# Altium PCB pdb_tfg.PcbDoc
Units mm, origin at the board's own origin, x right, y up, seen from the top; angles counter-clockwise.
Board outline 68.6 x 53.36 mm, 4 copper layers (Top Layer, GND, VCC, Bottom Layer), stack 0.778 mm thick; 16 components, 32 nets, 102 pads, 0 vias.
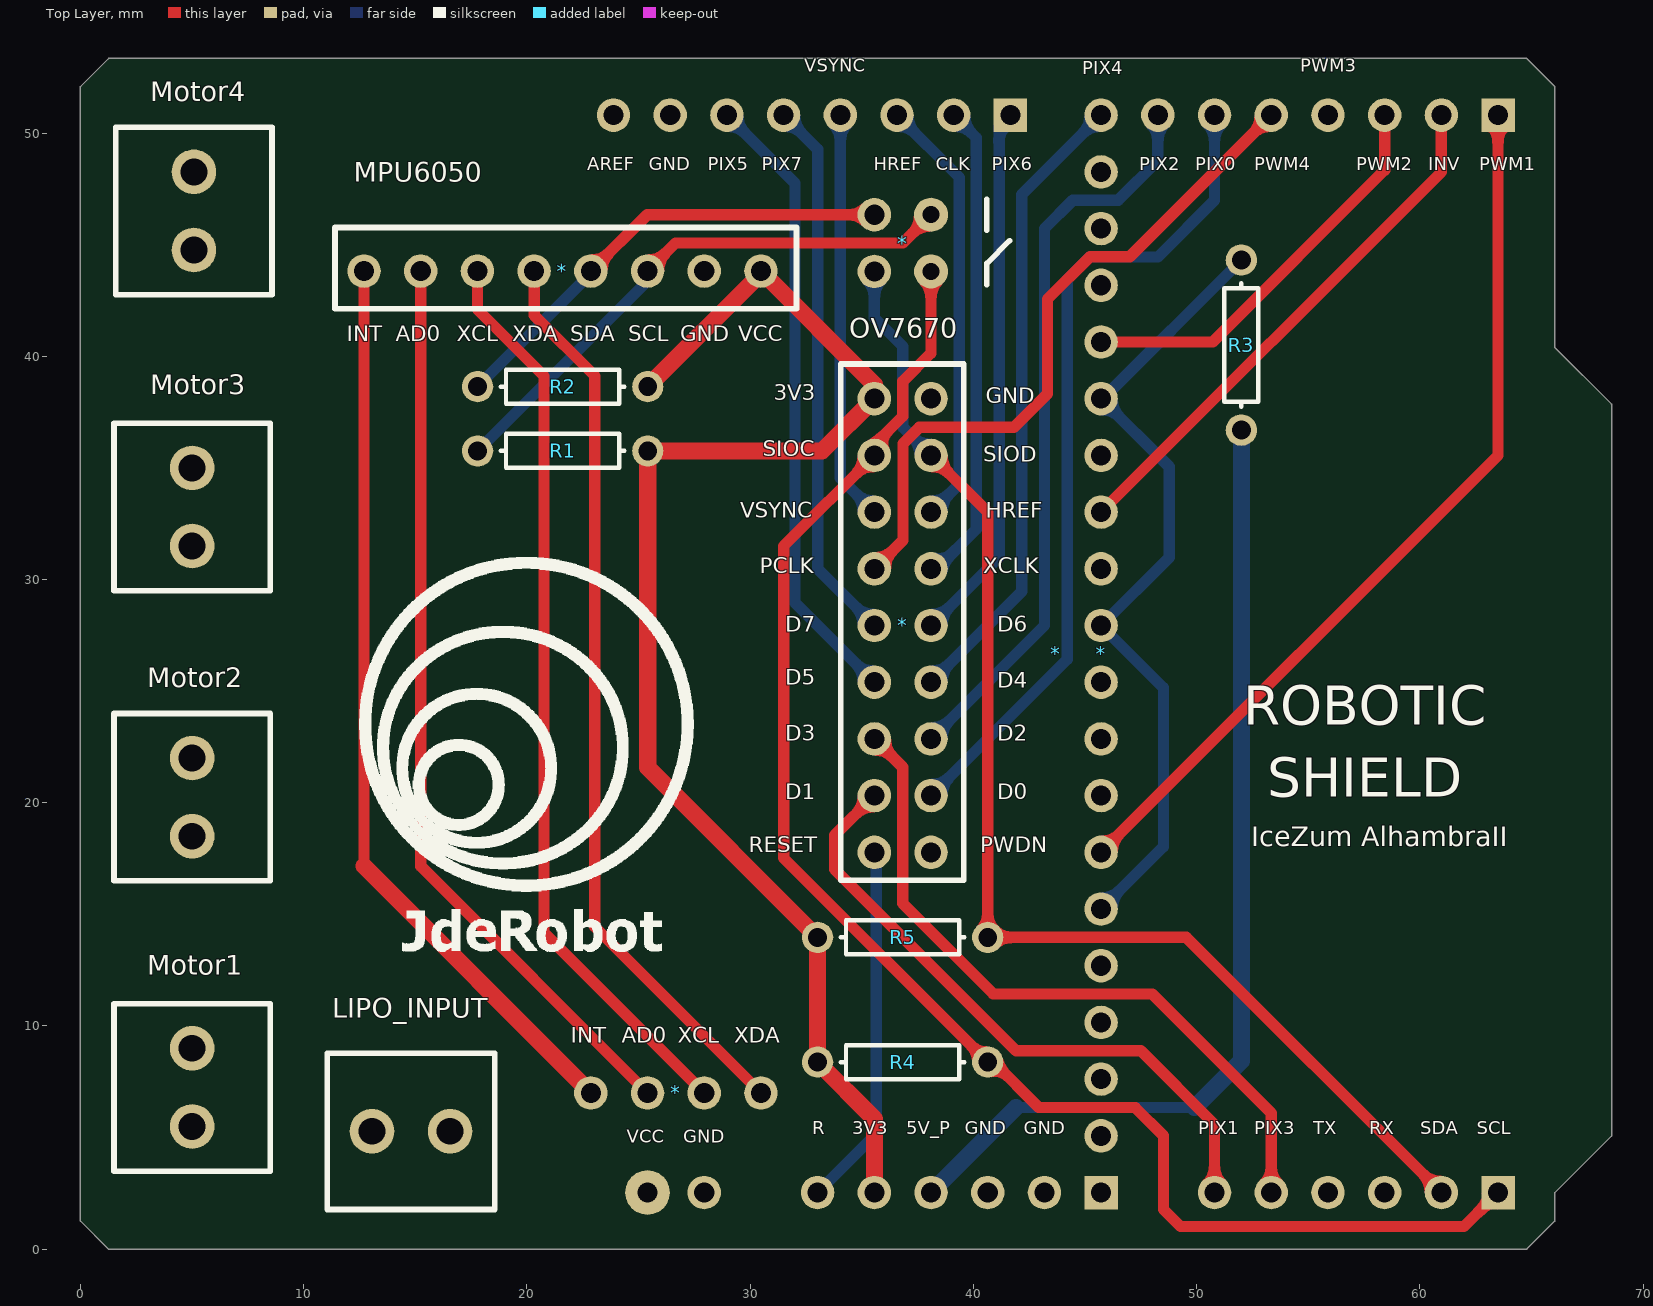
[diagram p0: Top Layer view]
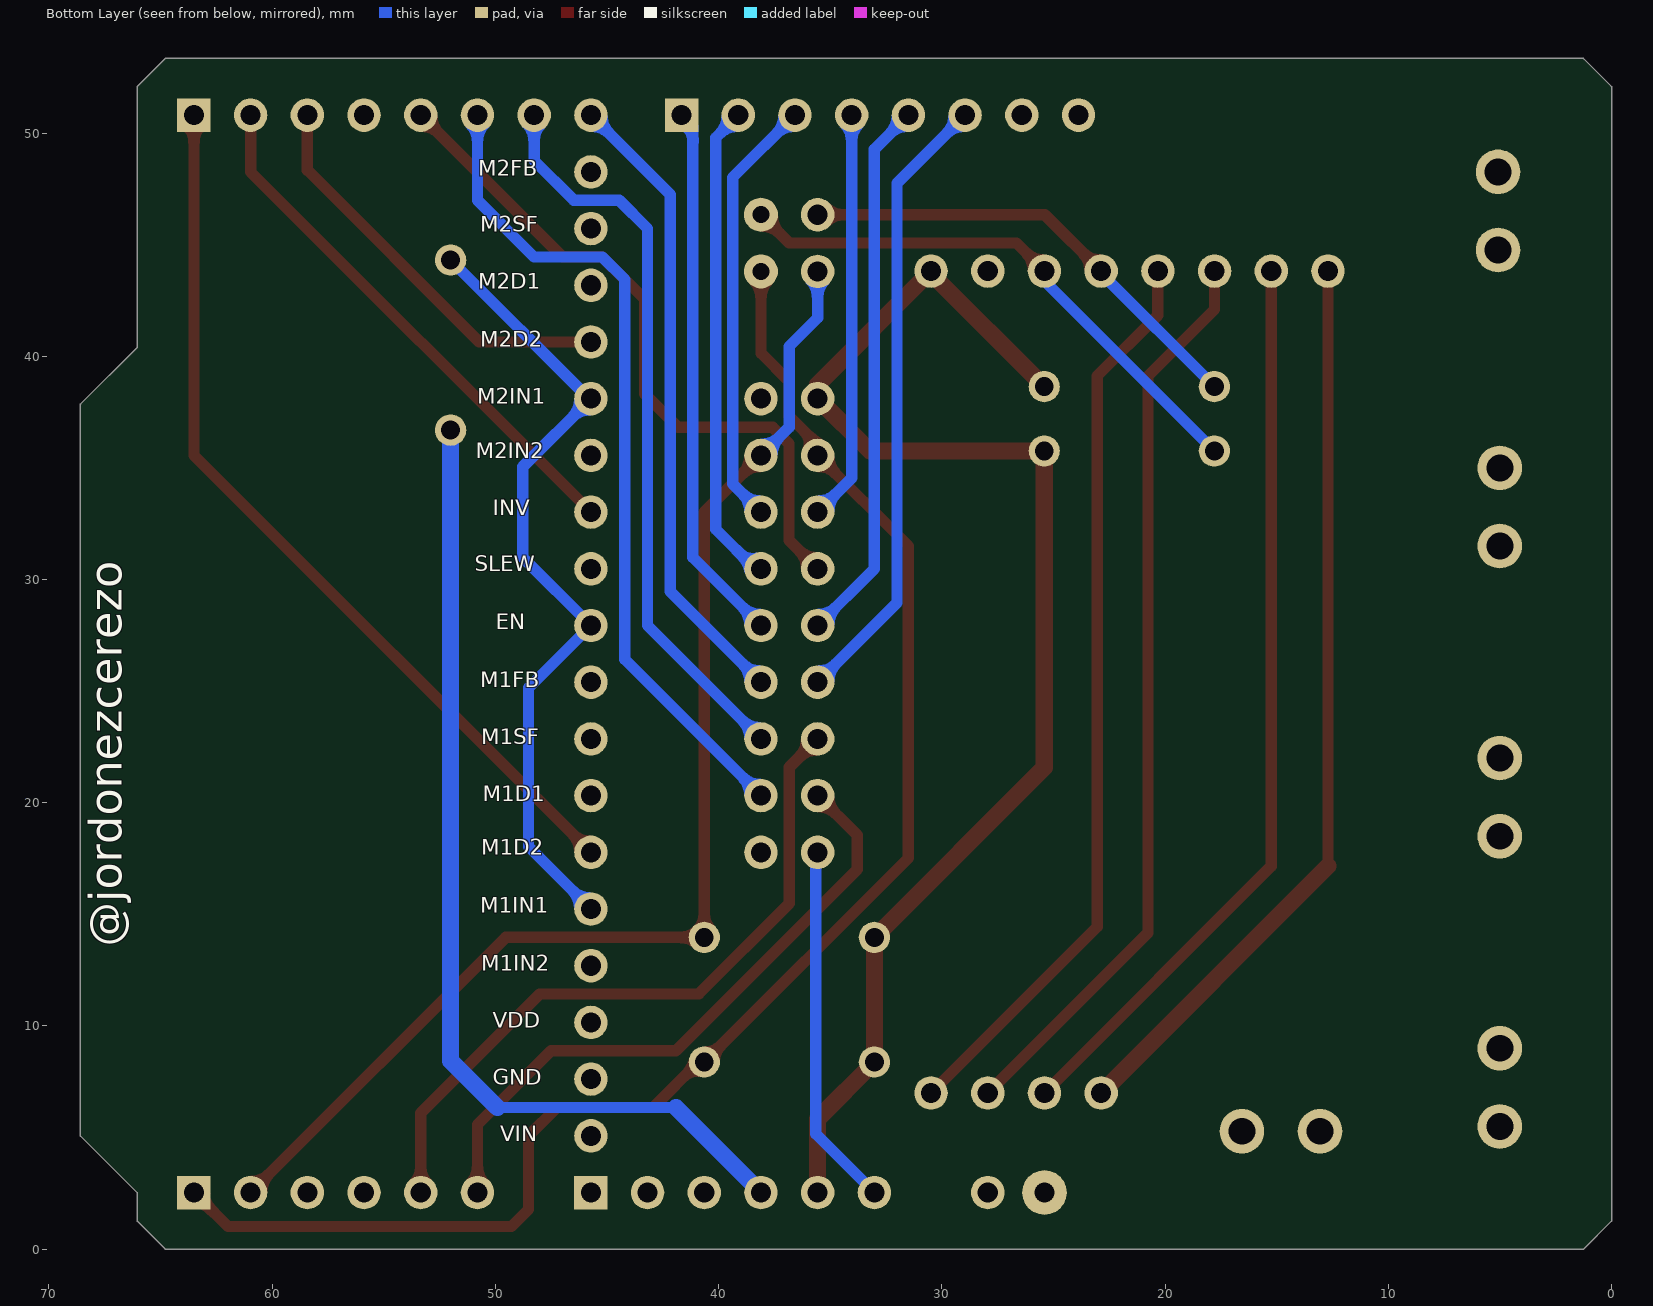
[diagram p1: Bottom Layer view, seen from below]
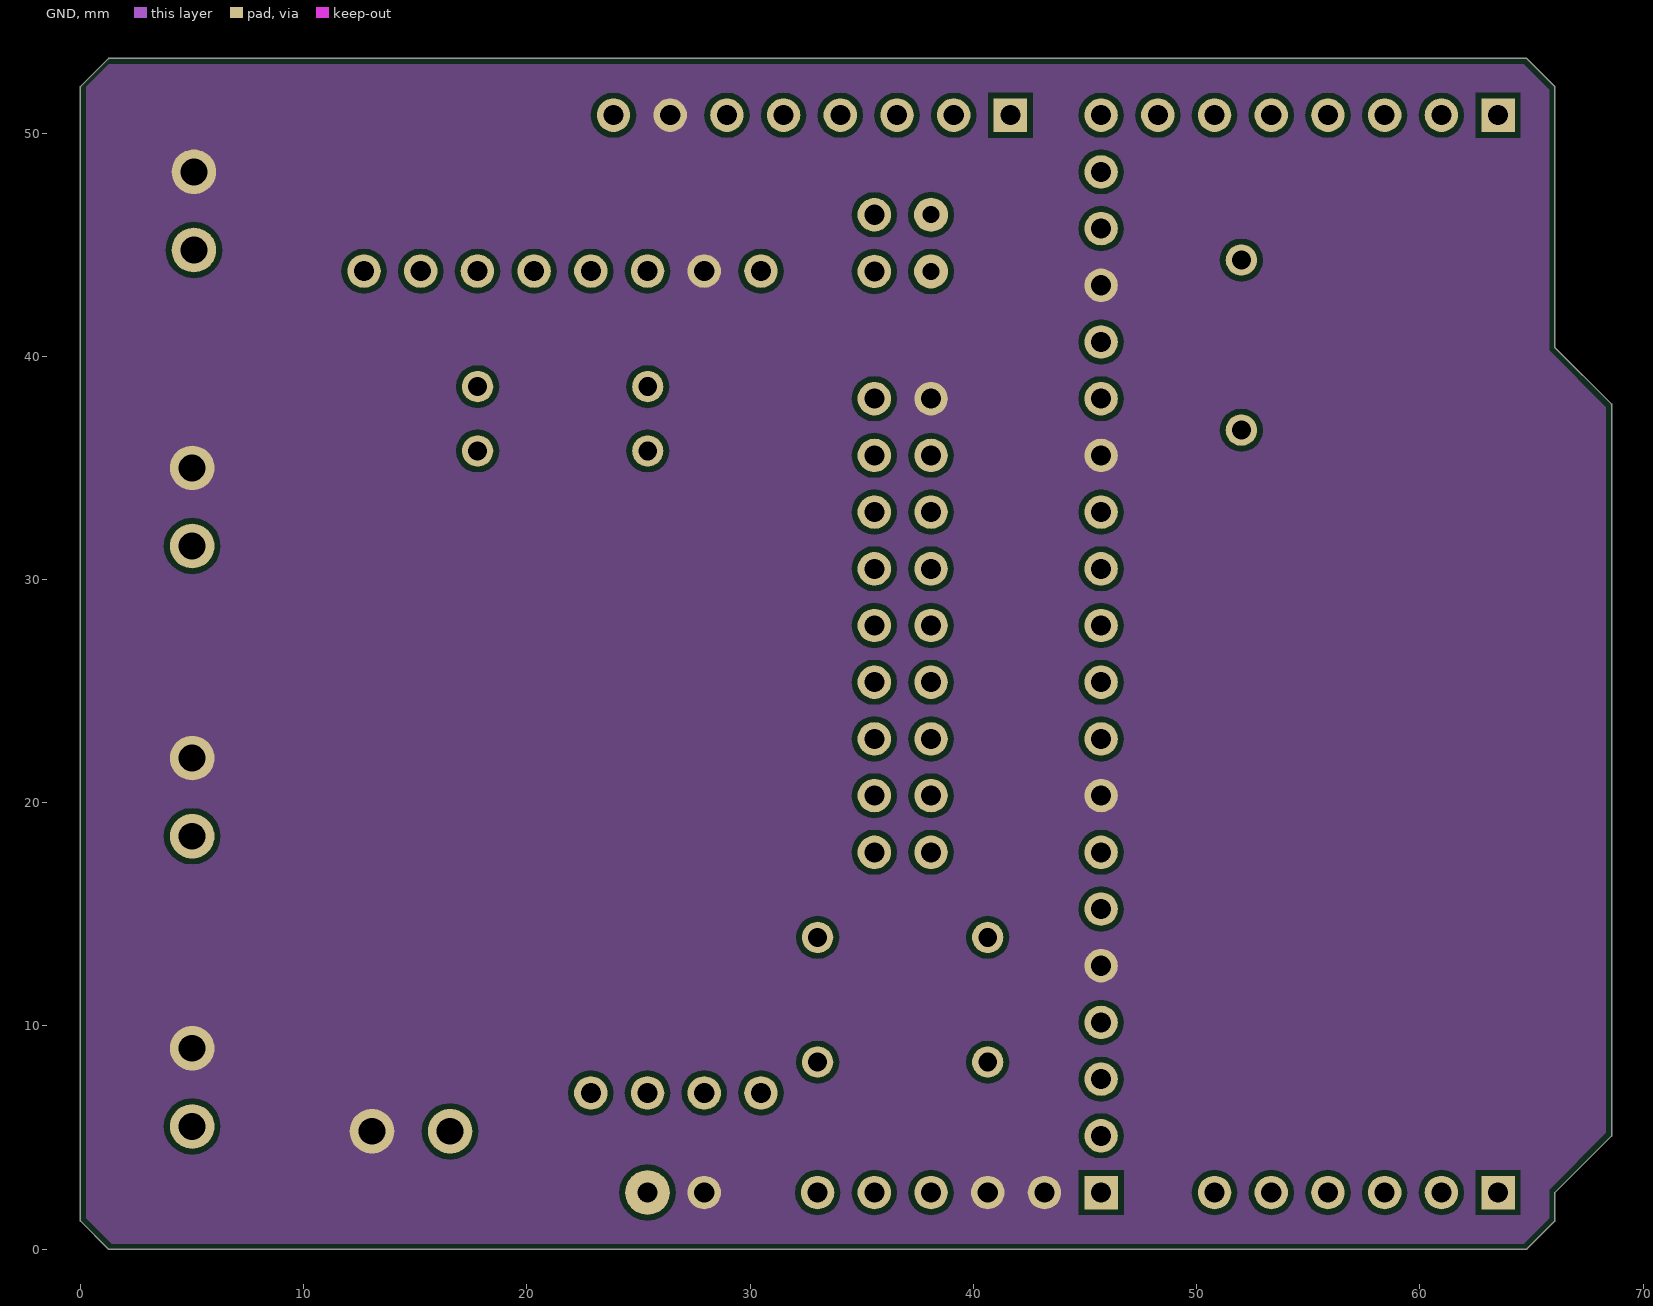
[diagram p2: GND]
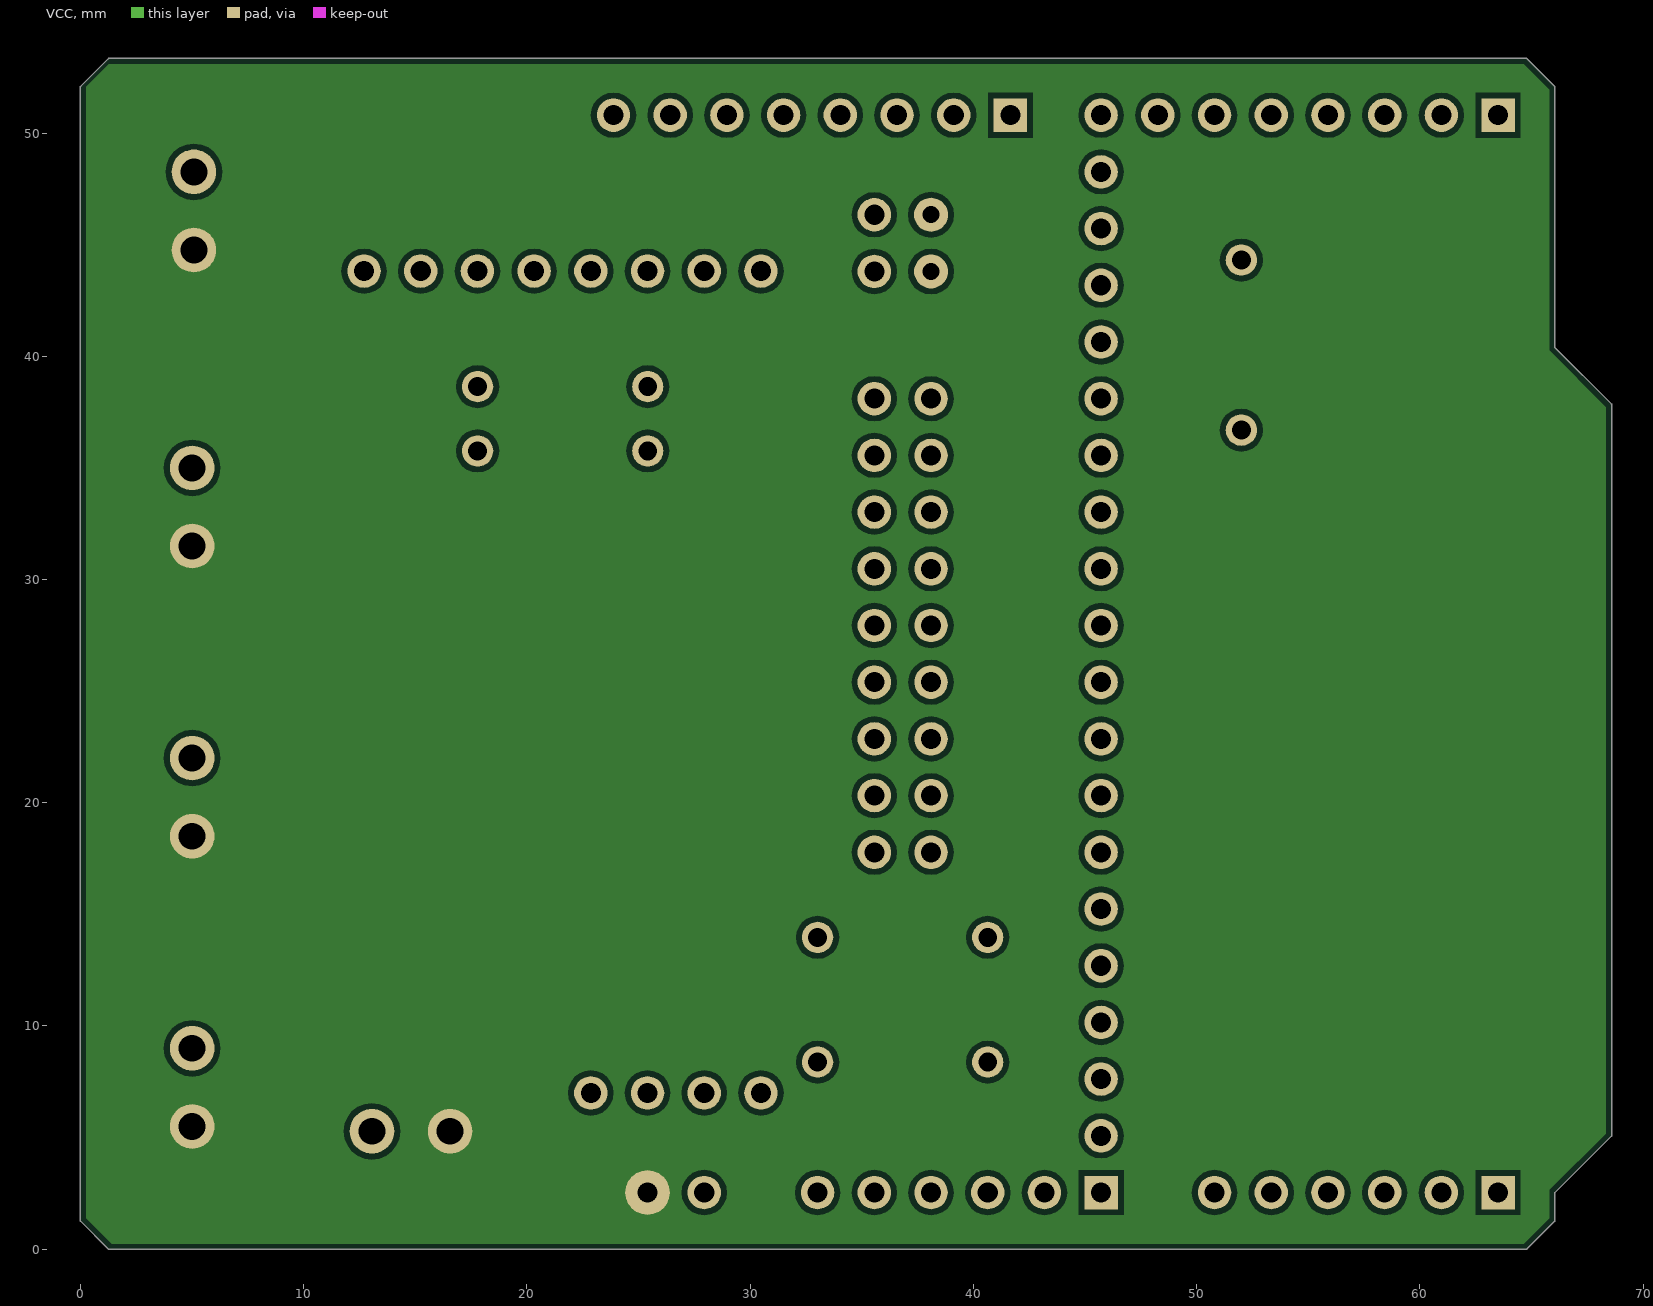
[diagram p3: VCC]

## Layer stack, top to bottom
Top Solder: solder mask 0.0102, Solder Resist, Dk 3.5
Top Layer: signal copper 0.0356
Dielectric 1: core 0.254, FR-4, Dk 4.2
GND: signal copper 0.036
Dielectric 3: prepreg 0.127, Dk 4.2
VCC: signal copper 0.036
Dielectric 2: core 0.254, Dk 4.2
Bottom Layer: signal copper 0.0356
Bottom Solder: solder mask 0.0102, Solder Resist, Dk 3.5

## Board outline
0.001,1.259 ccw(c0.001,1.269) 0.002,1.259 1.26,0 ccw(c1.27,0) 1.26,0 ccw(c1.27,0) 1.27,-0.01 ccw(c1.27,0) 1.277,-0.007 64.763,-0.007 ccw(c64.77,0) 64.77,-0.01 ccw(c64.77,0) 64.78,0 ccw(c64.77,0) 64.78,0 66.04,1.26 ccw(c66.04,1.27) 66.04,1.26 ccw(c66.04,1.27) 66.05,1.27 ccw(c66.04,1.27) 66.047,1.277 66.047,2.533 ccw(c66.04,2.54) 66.05,2.54 ccw(c66.04,2.54) 66.05,2.54 68.58,5.07 ccw(c68.58,5.08) 68.58,5.07 ccw(c68.58,5.08) 68.59,5.08 ccw(c68.58,5.08) 68.59,5.081 ccw(c68.58,5.081) 68.59,5.081 ccw(c68.58,5.081) 68.587,5.089 68.587,37.839 ccw(c68.58,37.846) 68.59,37.846 ccw(c68.58,37.846) 68.58,37.856 ccw(c68.58,37.846) 68.58,37.856 66.05,40.386 ccw(c66.04,40.386) 66.05,40.386 ccw(c66.04,40.386) 66.047,40.393 66.047,52.063 ccw(c66.04,52.07) 66.05,52.07 ccw(c66.04,52.07) 66.04,52.08 ccw(c66.04,52.07) 66.04,52.08 64.783,53.337 ccw(c64.773,53.337) 64.783,53.337 ccw(c64.773,53.337) 64.773,53.347 ccw(c64.773,53.337) 64.771,53.347 ccw(c64.77,53.337) 64.77,53.347 ccw(c64.77,53.337) 64.763,53.344 1.275,53.344 ccw(c1.267,53.337) 1.267,53.347 ccw(c1.267,53.337) 1.257,53.337 ccw(c1.267,53.337) 1.258,53.337 0.002,52.081 ccw(c0.001,52.071) 0.001,52.081 ccw(c0.001,52.071) -0.009,52.071 ccw(c0.001,52.071) -0.005,52.064 -0.005,1.276 ccw(c0.001,1.269) -0.009,1.269 ccw(c0.001,1.269)

## Design rules (kind name [scope] priority, off if disabled: settings)
Clearance [All] p1: gap=0.254 ignorepadtopadclearanceinfootprint=FALSE except(0: Arc-Hole Track-Hole SMDPad-Hole THPad-Hole Via-Hole Fill-Hole Poly-Hole Region-Hole Text-Hole)
ComponentClearance [All] p1 off: gap=0.254 collisioncheckmode=3 verticalgap=0 showdistances=TRUE
PolygonConnect [All] p1: connectstyle=Direct reliefconductorwidth=0.254 reliefentries=4 polygonreliefangle="90 Angle" airgapwidth=0.254
PolygonConnect PolygonConnect_Vcc [InNet('VCC')] p2: thpad.connectstyle=Direct thpad.reliefconductorwidth=0.254 thpad.reliefentries=4 thpad.polygonreliefangle="90 Angle" thpad.airgapwidth=0.254 smdpad.connectstyle=Relief smdpad.reliefconductorwidth=0.254 smdpad.reliefentries=4 smdpad.polygonreliefangle="90 Angle" smdpad.airgapwidth=0.254 via.connectstyle=Relief via.reliefconductorwidth=0.254 via.reliefentries=4 via.polygonreliefangle="90 Angle" via.airgapwidth=0.254
RoutingVias [All] p1: holewidth=0.711 width=1.27 viastyle="Through Hole" minholewidth=0.711 minwidth=1.27 maxholewidth=0.711 maxwidth=1.27
SolderMaskExpansion [All] p1: expansion=0.102
Width [All] p1: maxlimit=1 minlimit=0.254 preferedwidth=0.254
29 further rules are at their usual default settings.

## Classes and differential pairs
component class pcb_dron_schematic: * LIPO_INPUT Motor1 Motor2 Motor3 Motor4 R1 R2 R3 R4 R5

## Components (designator, comment, footprint, x,y, rotation, side; value= is the part's Value field where it differs from the comment)
* "MC33926" MC33926 45.72,5.08 r0 top locked
* "IceZumAlhambra" IceZumAlhambra 33.02,2.54 r0 top locked
* "SWITCH_PCB" SWITCH_PCB 35.56,43.8 r0 top
* "MPU6050" MPU6050 12.7,43.815 r0 top
* "OV7670" OV7670 35.56,17.78 r0 top
* "4PINS-CONNECTOR" 4PINS 22.86,7 r0 top
LIPO_INPUT "SCREW_2PIN" SCREW_2PIN 16.556,5.283 r180 top
Motor1 "SCREW_2PIN" SCREW_2PIN 5,5.5 r90 top
Motor2 "SCREW_2PIN" SCREW_2PIN 5,18.5 r90 top
Motor3 "SCREW_2PIN" SCREW_2PIN 5,31.5 r90 top
Motor4 "SCREW_2PIN" SCREW_2PIN 5.08,44.76 r90 top
R1 "Pull-up" AXIAL-0.3 21.6,35.76 r0 top value=10K
R2 "Pull-up" AXIAL-0.3 21.6,38.64 r0 top value=10K
R3 "Pull-up" AXIAL-0.3 52,40.5 r270 top value=10K
R4 "Pull-up" AXIAL-0.3 36.83,8.382 r180 top value=10K
R5 "Pull-up" AXIAL-0.3 36.83,13.97 r180 top value=10K

## Footprints (in the part's own frame and the unit in brackets; to place one, negate y for a bottom-side part, rotate by r counter-clockwise, add the part's x,y. Pads: shape width x height; smd on the part's side, far side on the other; paste and mask are expansions set on the pad)
4PINS [mm]
  round 1.5 hole 0.9: 1(0,0) 2(2.54,0) 3(5.08,0) 4(7.62,0)
AXIAL-0.3 [mm] "Axial Device, Thru-Hole; 2 Leads; 0.3 in Pin Spacing"
  round 1.4 hole 0.85: 1(-3.81,0) 2(3.81,0)
  silkscreen extent -2.77,-0.76 2.77,0.76
IceZumAlhambra [mm]
  rect 1.5x1.5 hole 0.9: 0(30.48,48.26) 8(8.636,48.26) 18(30.48,0) 24(12.7,0)
  round 1.5 hole 0.9: 1(27.94,48.26) 2(25.4,48.26) 3(22.86,48.26) 4(20.32,48.26) 5(17.78,48.26) 6(15.24,48.26) 7(12.7,48.26) 9(6.096,48.26) 10(3.556,48.26) 11(1.016,48.26) 12(-1.524,48.26) 13(-4.064,48.26) 14(-6.604,48.26) 15(-9.144,48.26) 19(27.94,0) 20(25.4,0) 21(22.86,0) 22(20.32,0) 23(17.78,0) 25(10.16,0) 26(7.62,0) 27(5.08,0) 28(2.54,0) 29(0,0)
  body extent -10.4,-1.25 82.1,49.75, height 11
MC33926 [mm]
  round 1.5 hole 0.9: 1(0,0) 2(0,2.54) 3(0,5.08) 4(0,7.62) 5(0,10.16) 6(0,12.7) 7(0,15.24) 8(0,17.78) 9(0,20.32) 10(0,22.86) 11(0,25.4) 12(0,27.94) 13(0,30.48) 14(0,33.02) 15(0,35.56) 16(0,38.1) 17(0,40.64) 18(0,43.18)
  body extent -1.2,-1.26 92.55,47.35, height 8.51
MPU6050 [mm]
  round 1.5 hole 0.9: 1(0,0) 2(2.54,0) 3(5.08,0) 4(7.62,0) 5(10.16,0) 6(12.7,0) 7(15.24,0) 8(17.78,0)
  silkscreen extent -1.3,-1.69 19.37,1.95, body extent -1.26,-1.2 19.06,1.2, height 8.51
OV7670 [mm]
  round 1.5 hole 0.9: 1(0,0) 2(0,2.54) 3(0,5.08) 4(0,7.62) 5(0,10.16) 6(0,12.7) 7(0,15.24) 8(0,17.78) 9(0,20.32) 10(2.54,20.32) 11(2.54,17.78) 12(2.54,15.24) 13(2.54,12.7) 14(2.54,10.16) 15(2.54,7.62) 16(2.54,5.08) 17(2.54,2.54) 18(2.54,0)
  silkscreen extent -1.5,-1.25 4,21.88, body extent -1.25,-1.27 3.76,21.59, height 8.5
SCREW_2PIN [mm]
  round 2 hole 1.2: 1(0,0) 2(3.5,0)
  silkscreen extent -2,-3.5 5.5,3.5, body extent -1.7,-3.4 5.3,3.6, height 8.4
SWITCH_PCB [mm]
  round 1.5 hole 0.9: 1(0,2.54) 2(0,0)
  round 1.524 hole 0.762: 3(2.54,2.54) 4(2.54,0)
  silkscreen extent 5.04,-0.6 6.06,3.24, body extent -1.27,-1.2 6.96,6.36, height 8.96

## Part data
*: library part 4PINS
R1 R2 R3 R4 R5: library part Res1, "Resistor", LatestRevisionDate=17-Jul-2002, LatestRevisionNote="Re-released for DXP Platform.", PackageDescription="Axial Device, Thru-Hole; 2 Leads; 0.3 in Pin Spacing", PackageReference=AXIAL-0.3, Published=8-Jun-2000, Publisher="Altium Limited"

## Free pads (board coordinates)
  round 2 hole 0.9: 6(25.4,2.54)
  round 1.5 hole 0.9: 7(27.94,2.54)

## Nets (pads, with @x,y where several pads share a name; then routed paths per layer and width w, separated by ;. In a path a pad name is that pad's centre, name@x,y a point inside that pad or via, vN(x,y) a via of type N, cw(c..) or ccw(c..) an arc to the next point about the centre after c; other vN are vias at no path point)
3V3: *.8@30.48,43.815 *.9@35.56,38.1 *.28 R1.2 R2.2 R4.2 R5.2 | length 63.6
  Top Layer w0.762: R2.2 30.48,43.71 30.48,43.815 35.56,38.735 35.56,38.1 33.22,35.76 R1.2 25.41,21.58 R5.2 R4.2 35.56,5.842 *.28
5V_P: *.27 R3.2 | length 44.6
  Bottom Layer w0.508: 41.91,6.35 49.91,6.35
  Bottom Layer w0.762: *.27 41.91,6.35 ; 49.91,6.35 52,8.44 R3.2
AD0: *.2@15.24,43.815 *.2@25.4,7 | length 41
  Top Layer w0.508: *.2@15.24,43.815 15.24,17.16 *.2@25.4,7
CLK: *.9@39.116,50.8 *.13@38.1,30.48 | length 21.7
  Bottom Layer w0.508: *.13@38.1,30.48 38.354,30.48 40.132,32.258 40.132,49.784 *.9@39.116,50.8
GND: *.4@45.72,12.7 *.7@27.94,43.815 *.7@45.72,20.32 *.10@38.1,38.1 *.13@45.72,35.56 *.14@26.416,50.8 *.16@45.72,43.18 *.25 *.26 LIPO_INPUT.2 Motor1.2 Motor2.2 Motor3.2 Motor4.2 pad.7
HREF: *.10@36.576,50.8 *.12@38.1,33.02 | length 19.5
  Bottom Layer w0.508: *.10@36.576,50.8 39.37,48.006 39.37,34.29 *.12@38.1,33.02
INT: *.1@12.7,43.815 *.1@22.86,7 | length 41
  Top Layer w0.508: 12.7,17.16 *.1@12.7,43.815
  Top Layer w0.762: 12.7,17.16 *.1@22.86,7
INV: *.1@60.96,50.8 *.12@45.72,33.02 | length 24.1
  Top Layer w0.508: *.12@45.72,33.02 60.96,48.26 *.1@60.96,50.8
M1_PWM: *.0 *.6@45.72,17.78 | length 40.4
  Top Layer w0.508: *.6@45.72,17.78 63.5,35.56 *.0
M2_PWM: *.2@58.42,50.8 *.15@45.72,40.64 | length 18.3
  Top Layer w0.508: *.15@45.72,40.64 50.72,40.64 58.42,48.34 *.2@58.42,50.8
M3_PWM: *.3@55.88,50.8
M4_PWM/PCLK: *.4@53.34,50.8 *.6@35.56,30.48 | length 31.2
  Top Layer w0.508: *.6@35.56,30.48 36.842,31.762 36.842,36.081 37.579,36.818 41.818,36.818 43.32,38.32 43.32,42.559 45.223,44.462 47.002,44.462 *.4@53.34,50.8
Net*_5: *.5@45.72,15.24 *.10@45.72,27.94 *.14@45.72,38.1 R3.1 | length 36.6
  Bottom Layer w0.508: *.5@45.72,15.24 48.514,18.034 48.514,25.146 45.72,27.94 48.768,30.988 48.768,35.052 45.72,38.1 45.79,38.1 R3.1
PIXEL_0: *.5@50.8,50.8 *.17@38.1,20.32 | length 37.5
  Bottom Layer w0.508: *.17@38.1,20.32 44.196,26.416 44.196,43.435 45.211,44.45 48.26,44.45 50.8,46.99 *.5@50.8,50.8
PIXEL_1: *.2@35.56,20.32 *.23 | length 28.8
  Top Layer w0.508: *.2@35.56,20.32 33.782,18.542 33.782,17.018 41.91,8.89 47.498,8.89 50.8,5.588 *.23
PIXEL_2: *.6@48.26,50.8 *.16@38.1,22.86 | length 33.3
  Bottom Layer w0.508: *.16@38.1,22.86 43.18,27.94 43.18,45.72 44.45,46.99 46.482,46.99 48.26,48.768 *.6@48.26,50.8
PIXEL_3: *.3@35.56,22.86 *.22 | length 31.9
  Top Layer w0.508: *.3@35.56,22.86 36.83,21.59 36.83,15.494 40.894,11.43 48.006,11.43 53.34,6.096 *.22
PIXEL_4: *.7@45.72,50.8 *.15@38.1,25.4 | length 28.6
  Bottom Layer w0.508: *.15@38.1,25.4 42.164,29.464 42.164,47.244 *.7@45.72,50.8
PIXEL_5: *.4@35.56,25.4 *.13@28.956,50.8 | length 28.1
  Bottom Layer w0.508: *.13@28.956,50.8 32.004,47.752 32.004,28.956 *.4@35.56,25.4
PIXEL_6: *.8@41.656,50.8 *.14@38.1,27.94 | length 24.3
  Bottom Layer w0.508: *.14@38.1,27.94 41.148,30.988 41.148,50.292 *.8@41.656,50.8
PIXEL_7: *.5@35.56,27.94 *.12@31.496,50.8 | length 24.5
  Bottom Layer w0.508: *.12@31.496,50.8 33.02,49.276 33.02,30.48 *.5@35.56,27.94
RESET: *.1@35.56,17.78 *.29 | length 16.4
  Bottom Layer w0.508: *.29 35.64,5.16 35.64,17.7 *.1@35.56,17.78
RX: *.20
SCL: *.4@38.1,43.8 *.8@35.56,35.56 *.18@63.5,2.54 R4.1 | length 70.4
  Top Layer w0.508: *.4@38.1,43.8 38.1,40.14 36.84,38.88 36.84,37.32 35.56,36.04 35.56,35.56 31.496,31.496 31.496,17.526 R4.1 40.894,8.382 42.926,6.35 47.244,6.35 48.514,5.08 48.514,1.778 49.276,1.016 61.976,1.016 *.18@63.5,2.54
SCLMPU: *.3@38.1,46.34 *.6@25.4,43.815 R1.1 | length 25
  Top Layer w0.508: *.6@25.44,43.775 25.4,43.815 26.658,45.073 36.833,45.073 *.3@38.1,46.34
  Bottom Layer w0.508: R1.1 25.4,43.37 *.6@25.4,43.815
SDA: *.2@35.56,43.8 *.11@38.1,35.56 *.19 R5.1 | length 57
  Top Layer w0.508: *.11@38.1,35.56 40.64,33.02 R5.1 49.53,13.97 *.19
  Bottom Layer w0.508: *.2@35.56,43.8 35.56,41.72 36.84,40.44 36.84,36.82 *.11@38.1,35.56
SDAMPU: *.1@35.56,46.34 *.5@22.86,43.815 R2.1 | length 21
  Top Layer w0.508: *.5@22.86,43.815 25.385,46.34 *.1@35.56,46.34
  Bottom Layer w0.508: R2.1 22.86,43.71 *.5@22.86,43.815
TX: *.21
VCC: LIPO_INPUT.1 Motor1.1 Motor2.1 Motor3.1 Motor4.1 pad.6
VSYNC: *.7@35.56,33.02 *.11@34.036,50.8 | length 18.4
  Bottom Layer w0.508: *.11@34.036,50.8 34.036,34.544 *.7@35.56,33.02
XCL: *.3@17.78,43.815 *.3@27.94,7 | length 41
  Top Layer w0.508: *.3@17.78,43.815 17.78,42.1 20.76,39.12 20.76,14.18 *.3@27.94,7
XDA: *.4@20.32,43.815 *.4@30.48,7 | length 41
  Top Layer w0.508: *.4@20.32,43.815 20.32,41.84 23.04,39.12 23.04,14.44 *.4@30.48,7
pads on no net: *.1@45.72,5.08 *.2@45.72,7.62 *.3@45.72,10.16 *.8@45.72,22.86 *.9@45.72,25.4 *.11@45.72,30.48 *.15@23.876,50.8 *.17@45.72,45.72 *.18@38.1,17.78 *.18@45.72,48.26 *.24

## Polygon pours and split planes (outlines as drawn)
no net on Top Layer "Top Layer-No Net 1" (solid, pour order 8): 17.03,48.62
no net on Top Layer "Top Layer-No Net" (solid, pour order 0): 0.875,44.75
no net on Bottom Layer "Bottom Layer-No Net" (solid, pour order 4): 18.2,47.19
GND on GND "GND-GND 1" (solid, pour order 10): 0.254,52.07 1.27,53.086 64.643,53.086 65.786,51.943 65.786,40.259 68.326,37.719 68.326,5.207 65.786,2.667 65.786,1.397 64.643,0.254 1.397,0.254 0.254,1.397
GND on GND "GND-GND" (solid, pour order 12): 24.994,43.815
VCC on VCC "VCC-VCC" (solid, pour order 16): 0.254,52.07 1.27,53.086 64.643,53.086 65.786,51.943 65.786,40.259 68.326,37.719 68.326,5.182 65.811,2.692 65.786,2.667 65.786,1.397 64.643,0.254 1.397,0.254 0.254,1.397
no net on VCC "VCC-No Net" (solid, pour order 14): 0.47,51.76

## Silkscreen, mask and mechanical layers (free items; w line width, h text height)
Top Overlay:
  drawing of 3511 lines, arcs and shapes, not listed
  text "ROBOTIC" at 52.08,22.92 h3
  text "SHIELD" at 53.16,19.68 h3
  text "IceZum AlhambraII" at 52.44,17.76 h1.52
  text "INT" at 21.96,9 h1.2
  text "AD0" at 24.24,9 h1.2
  text "XCL" at 26.76,9 h1.2
  text "XDA" at 29.28,9 h1.2
  text "VCC" at 24.48,4.56 h1
  text "GND" at 27,4.56 h1
Bottom Overlay:
  text "@jordonezcerezo" at 66.24,13.56 h2.5 r270
Mechanical 1:
  circle w0.013: c68.58,5.081 r0.003
  circle w0.013: c68.58,5.08 r0.003
  circle w0.013: c68.58,5.08 r0.003
  circle w0.013: c66.04,2.54 r0.003
  circle w0.013: c68.58,37.846 r0.003
  circle w0.013: c68.58,5.081 r0.003
  circle w0.013: c68.58,37.846 r0.003
  circle w0.013: c66.04,40.386 r0.003
  circle w0.013: c64.77,0 r0.003
  circle w0.013: c1.27,0 r0.003
  circle w0.013: c66.04,1.27 r0.003
  circle w0.013: c64.77,0 r0.003
  circle w0.013: c66.04,2.54 r0.003
  circle w0.013: c66.04,1.27 r0.003
  circle w0.013: c66.04,52.07 r0.003
  circle w0.013: c66.04,40.386 r0.003
  circle w0.013: c66.04,52.07 r0.003
  circle w0.013: c64.773,53.337 r0.003
  circle w0.013: c0.001,52.071 r0.003
  circle w0.013: c0.001,1.269 r0.003
  circle w0.013: c1.267,53.337 r0.003
  circle w0.013: c0.001,52.071 r0.003
  circle w0.013: c64.77,53.337 r0.003
  circle w0.013: c1.267,53.337 r0.003
  circle w0.013: c1.27,0 r0.003
  circle w0.013: c0.001,1.269 r0.003
  lines w0.013: 64.77,53.337 1.267,53.337 0.001,52.071 0.001,1.269 1.27,0 64.77,0 66.04,1.27 66.04,2.54 68.58,5.08 ; 64.773,53.337 66.04,52.07 66.04,40.386 68.58,37.846 68.58,5.081 ; 68.58,5.08 68.58,5.081 ; 68.58,5.08 68.58,5.081

## Text inside footprints (layer, text, board x,y; h text height)
*: Top Overlay "PWM1" at 62.66,48.14 h1; Top Overlay "PIX7" at 30.52,48.14 h1; Top Overlay "HREF" at 35.54,48.14 h1; Top Overlay "PIX6" at 40.82,48.14 h1; Top Overlay "PIX2" at 47.42,48.14 h1; Top Overlay "PWM4" at 52.58,48.14 h1; Top Overlay "PWM2" at 57.14,48.14 h1; Top Overlay "3V3" at 34.58,4.94 h1; Top Overlay "5V_P" at 36.98,4.94 h1; Top Overlay "PIX3" at 52.58,4.94 h1; Top Overlay "PIX1" at 50.06,4.94 h1; Top Overlay "TX" at 55.22,4.94 h1; Top Overlay "RX" at 57.74,4.94 h1; Top Overlay "SDA" at 60.02,4.94 h1; Top Overlay "GND" at 42.26,4.94 h1; Top Overlay "GND" at 39.62,4.94 h1; Top Overlay "SCL" at 62.54,4.94 h1; Top Overlay "R" at 32.78,4.94 h1; Top Overlay "GND" at 25.46,48.14 h1; Top Overlay "PIX4" at 44.88,52.44 h1; Top Overlay "PIX0" at 49.94,48.14 h1; Top Overlay "PWM3" at 54.65,52.54 h1; Top Overlay "INV" at 60.38,48.14 h1; Top Overlay "VSYNC" at 32.42,52.54 h1; Top Overlay "PIX5" at 28.1,48.14 h1; Top Overlay "AREF" at 22.7,48.14 h1; Top Overlay "CLK" at 38.3,48.14 h1
*: Top Overlay "INT" at 11.92,40.435 h1.2; Top Overlay "AD0" at 14.13,40.435 h1.2; Top Overlay "XCL" at 16.86,40.435 h1.2; Top Overlay "XDA" at 19.33,40.435 h1.2; Top Overlay "SDA" at 21.93,40.435 h1.2; Top Overlay "SCL" at 24.53,40.435 h1.2; Top Overlay "GND" at 26.87,40.435 h1.2; Top Overlay "VCC" at 29.47,40.435 h1.2
*: Top Overlay "PWDN" at 40.31,17.53 h1.2; Top Overlay "D0" at 41.06,19.905 h1.2; Top Overlay "D2" at 41.06,22.53 h1.2; Top Overlay "D4" at 41.06,24.905 h1.2; Top Overlay "D6" at 41.06,27.405 h1.2; Top Overlay "XCLK" at 40.435,30.03 h1.2; Top Overlay "HREF" at 40.56,32.53 h1.2; Top Overlay "SIOD" at 40.435,35.03 h1.2; Top Overlay "GND" at 40.56,37.655 h1.2; Top Overlay "RESET" at 29.935,17.53 h1.2; Top Overlay "D1" at 31.56,19.905 h1.2; Top Overlay "D3" at 31.56,22.53 h1.2; Top Overlay "D5" at 31.56,25.03 h1.2; Top Overlay "D7" at 31.56,27.405 h1.2; Top Overlay "PCLK" at 30.435,30.03 h1.2; Top Overlay "VSYNC" at 29.56,32.53 h1.2; Top Overlay "SIOC" at 30.56,35.28 h1.2; Top Overlay "3V3" at 31.06,37.78 h1.2
*: Bottom Overlay "VIN" at 49.77,4.58 h1.2; Bottom Overlay "M2SF" at 50.67,45.33 h1.2; Bottom Overlay "M2IN2" at 50.87,35.18 h1.2; Bottom Overlay "M1FB" at 50.67,24.93 h1.2; Bottom Overlay "M1IN1" at 50.67,14.83 h1.2; Bottom Overlay "M2D1" at 50.77,42.78 h1.2; Bottom Overlay "M2D2" at 50.67,40.18 h1.2; Bottom Overlay "M2IN1" at 50.82,37.63 h1.2; Bottom Overlay "INV" at 50.12,32.63 h1.2; Bottom Overlay "SLEW" at 50.92,30.13 h1.2; Bottom Overlay "EN" at 49.97,27.53 h1.2; Bottom Overlay "M1SF" at 50.62,22.38 h1.2; Bottom Overlay "M1D1" at 50.57,19.83 h1.2; Bottom Overlay "M1D2" at 50.62,17.43 h1.2; Bottom Overlay "M1IN2" at 50.62,12.23 h1.2; Bottom Overlay "VDD" at 50.12,9.68 h1.2; Bottom Overlay "GND" at 50.12,7.13 h1.2; Bottom Overlay "M2FB" at 50.77,47.83 h1.2